# Altium PCB pcb地图1.00.pcbdoc (part 2 of 2)
Units mil, origin at the board's own origin, x right, y up, seen from the top; angles counter-clockwise.
Board outline 10933.01 x 3940 mil, 2 copper layers (Top Layer, Bottom Layer); 350 components, 336 nets, 1102 pads, 0 vias.
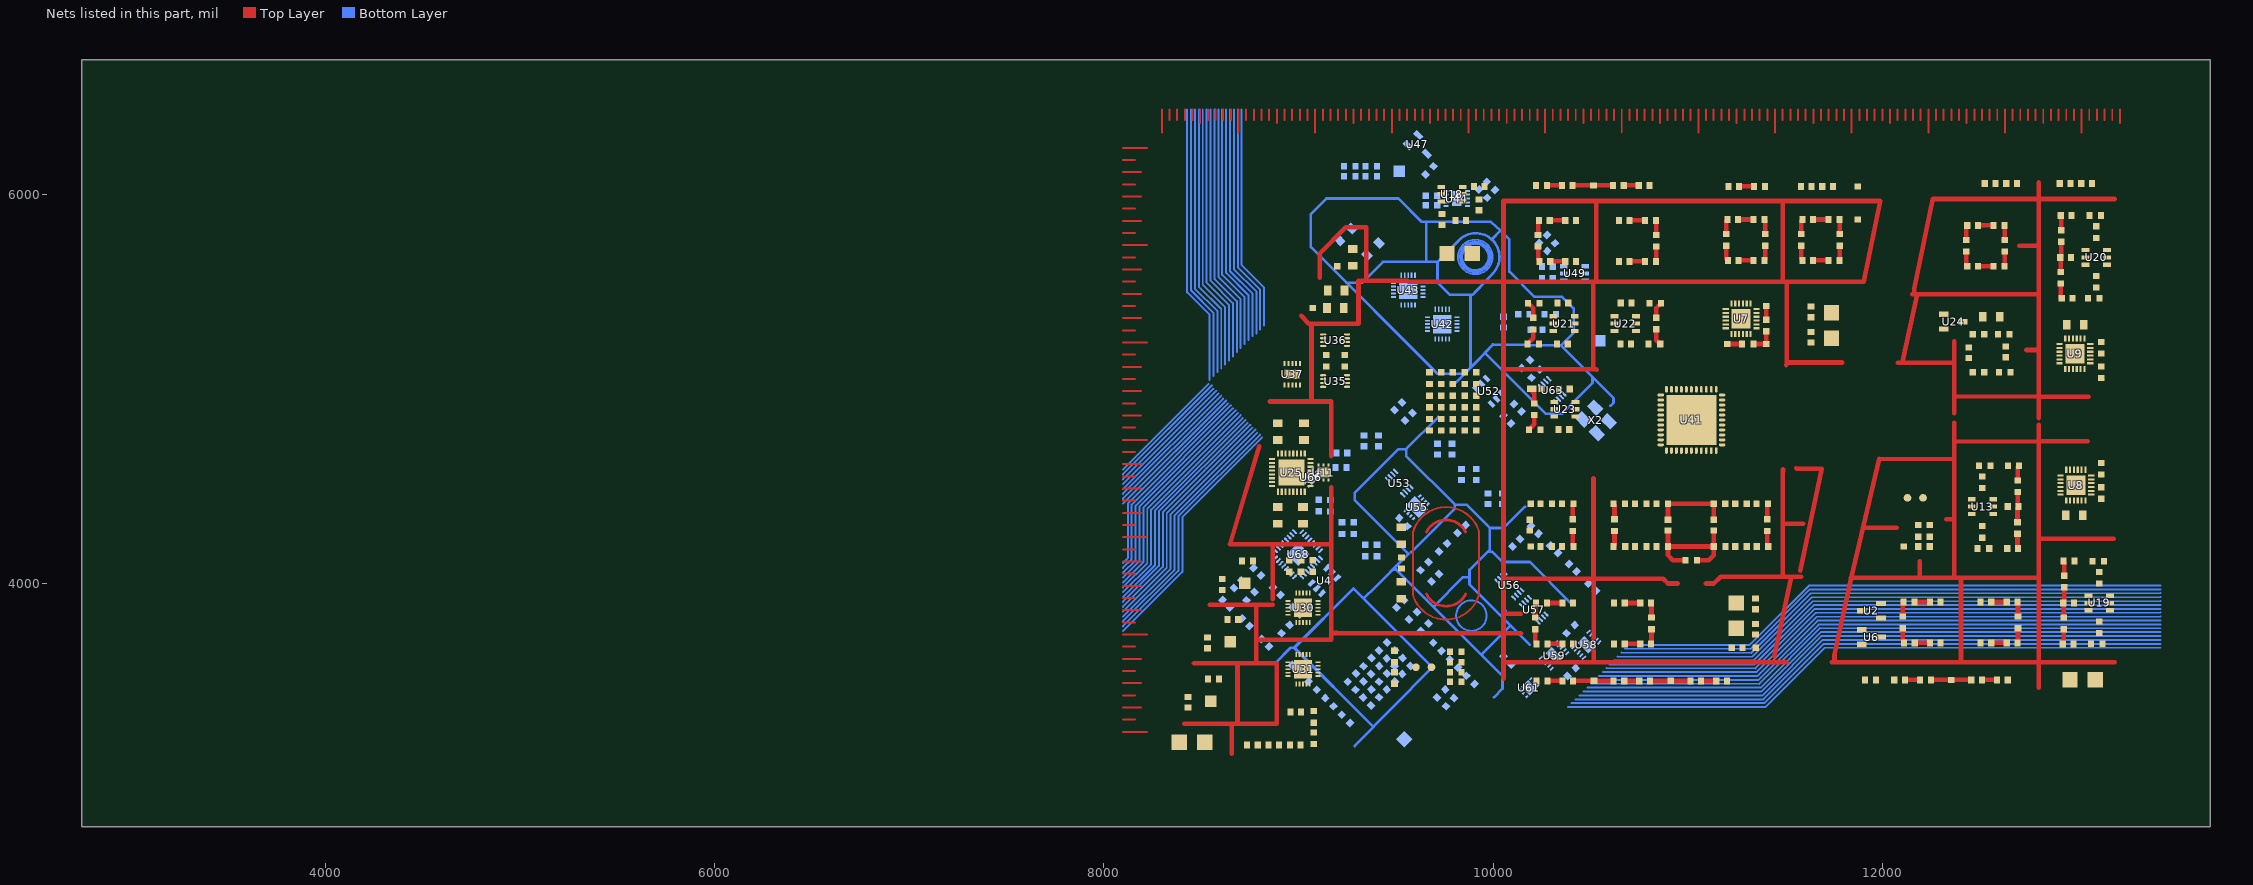
[diagram p2: the nets of this part, all layers, seen from the top]

## Nets (pads, with @x,y where several pads share a name; then routed paths per layer and width w, separated by ;. In a path a pad name is that pad's centre, name@x,y a point inside that pad or via, vN(x,y) a via of type N, cw(c..) or ccw(c..) an arc to the next point about the centre after c; other vN are vias at no path point)
C1_1: C7.1 C8.1 C11.1 C12.1 C13.1 C14.1 C15.1 C16.1 C17.1 C18.1 C19.1 C20.1 C21.1 C22.1 C23.1 C24.1 C25.1 C26.1 C27.1 C28.1 C29.1 C30.1 C31.1 C32.1 C33.1 C34.1 C35.1 C36.1 C37.1 C38.1 C40.1 C48.1 C49.1 C50.1 C51.1 C52.1 C53.1 C54.1 C55.1 C56.1 C57.1 C58.1 C59.1 C60.1 C61.1 C62.1 C63.1 C64.1 C65.1 C66.1 C69.1 C70.1 C71.1 C72.1 C73.1 C74.1 C75.1 C82.1 C83.1 C84.1 C85.1 C87.1 C89.1 C91.1 C92.1 C93.1 C94.1 C101.1 C102.1 C103.1 C104.1 C105.1 C106.1 C107.1 C108.1 C109.1 C110.1 C111.1 C112.1 C113.1 C114.1 C115.1 C116.1 C119.1 C120.1 C121.1 C122.1 C123.1 C124.1 C125.1 C126.1 C127.1 C128.1 C129.1 C130.1 C131.1 C132.1 C134.1 C135.1 C137.1 C138.1 C139.1 C140.1 C141.1 C142.1 C143.1 C144.1 C145.1 C146.1 C147.1 C148.1 C149.1 C150.1 C158.1 C159.1 C160.1 C161.1 C162.1 C164.1 C165.1 C166.1 C167.1 C168.1 C169.1 C171.1 C172.1 C173.1 C174.1 C175.1 C176.1 pad.2@10515.45,6045 pad.2@10517.89,3500 pad.2@10912.89,3500 pad.2@12353.01,3505 R64.1 R64.2 R65.1 R65.2 R95.1 R95.2 R98.1 R98.2 R99.1 R99.2 R105.1 R105.2 R106.1 R106.2 R109.1 R109.2 R110.1 R110.2 R115.1 R115.2 R116.1 R116.2 R117.1 R117.2 R118.1 R118.2 R119.1 R119.2 R120.1 R120.2 R183.1 R183.2 R184.1 R184.2 | length 2392.9
  Top Layer w23.62: R64.2@10215.45,3765.34 10215.41,3697.4 C18.1@10222.89,3690 ; R64.1@10215.45,3824.66 10215.41,3895 C16.1@10220.45,3900 ; R95.2@10230.45,5730.34 10230.41,5662.4 C54.1@10237.89,5655 ; R95.1@10230.45,5789.66 10230.41,5860 C56.1@10235.45,5865 ; C51.1@10408.13,6045 pad.2@10515.45,6045 C50.1@10615.45,6045 ; C32.1@10410.57,3500 pad.2@10517.89,3500 C33.1@10617.89,3500 ; C7.1@10675.57,3900 C13.1@10755.45,3900 ; C14.1@10680.61,3690 C15.1@10757.91,3690 ; C48.1@10700.57,5865 C59.1@10780.45,5865 ; C58.1@10705.61,5655 C57.1@10782.91,5655 ; C34.1@10805.57,3500 pad.2@10912.89,3500 C102.1@11012.89,3500 ; R98.2@11197.89,5735.34 11197.91,5667.4 C65.1@11205.33,5660 ; R98.1@11197.89,5794.66 11197.91,5865 C63.1@11202.89,5870 ; C64.1@11393.01,5660 11398.01,5665 R99.2@11398.01,5735.34 ; C66.1@11393.01,5870 11398.01,5865 R99.1@11398.01,5794.66 ; C71.1@11643.01,5870 C60.1@11722.89,5870 ; C61.1@11648.01,5660 C62.1@11725.31,5660 ; R65.2@12103.13,3770.34 12103.11,3702.4 C25.1@12110.57,3695 ; R65.1@12103.13,3829.66 12103.11,3900 C27.1@12108.13,3905 ; C37.1@12248.01,3505 pad.2@12353.01,3505 C36.1@12455.33,3505 ; C129.1@12490.57,5839.66 C132.1@12570.45,5839.66 ; C131.1@12495.61,5629.7 C130.1@12572.91,5629.7 ; C23.1@12558.25,3905 C30.1@12638.13,3905 ; C29.1@12563.21,3695 C28.1@12640.61,3695
C1_2: C7.2 C8.2 C11.2 C12.2 C13.2 C14.2 C15.2 C16.2 C17.2 C18.2 C19.2 C20.2 C21.2 C22.2 C23.2 C24.2 C25.2 C26.2 C27.2 C28.2 C29.2 C30.2 C31.2 C32.2 C33.2 C34.2 C35.2 C36.2 C37.2 C38.2 C40.2 C48.2 C49.2 C50.2 C51.2 C52.2 C53.2 C54.2 C55.2 C56.2 C57.2 C58.2 C59.2 C60.2 C61.2 C62.2 C63.2 C64.2 C65.2 C66.2 C69.2 C70.2 C71.2 C72.2 C73.2 C74.2 C75.2 C82.2 C83.2 C84.2 C85.2 C87.2 C89.2 C91.2 C92.2 C93.2 C94.2 C101.2 C102.2 C103.2 C104.2 C105.2 C106.2 C107.2 C108.2 C109.2 C110.2 C111.2 C112.2 C113.2 C114.2 C115.2 C116.2 C119.2 C120.2 C121.2 C122.2 C123.2 C124.2 C125.2 C126.2 C127.2 C128.2 C129.2 C130.2 C131.2 C132.2 C134.2 C135.2 C137.2 C138.2 C139.2 C140.2 C141.2 C142.2 C143.2 C144.2 C145.2 C146.2 C147.2 C148.2 C149.2 C150.2 C158.2 C159.2 C160.2 C161.2 C162.2 C164.2 C165.2 C166.2 C167.2 C168.2 C169.2 C171.2 C172.2 C173.2 C174.2 C175.2 C176.2 R63.1 R63.2 R66.1 R66.2 R96.1 R96.2 R97.1 R97.2 R100.1 R100.2 R146.1 R146.2 R149.1 R149.2 R151.1 R151.2 R152.1 R152.2 R153.1 R153.2 R154.1 R154.2 R155.1 R155.2 R156.1 R156.2 R157.1 R157.2 R158.1 R158.2 R159.1 R159.2 R160.1 R160.2 R161.1 R161.2 R162.1 R162.2 R163.1 R163.2 R164.1 R164.2 R165.1 R165.2 R167.1 R167.2 R169.1 R169.2 R173.1 R173.2 R175.1 R175.2 R178.1 R178.2 R179.1 R179.2 R180.1 R180.2 R181.1 R181.2 R182.1 R182.2 R185.1 R185.2 R186.1 R186.2 | length 3265.7
  Top Layer w23.62: C16.2@10275.57,3900 C19.2@10355.45,3900 ; C52.2@10275.57,6045 C51.2@10353.01,6045 ; C31.2@10278.01,3500 C32.2@10355.45,3500 ; C18.2@10278.01,3690 C17.2@10355.45,3690 ; C56.2@10290.57,5865 C53.2@10370.45,5865 ; C54.2@10293.01,5655 C55.2@10370.45,5655 ; C50.2@10670.57,6045 C49.2@10748.01,6045 ; C33.2@10673.01,3500 C34.2@10750.45,3500 ; C13.2@10810.57,3900 10813.01,3897.6 R63.1@10813.01,3824.66 ; C15.2@10813.01,3690 R63.2@10813.01,3765.34 ; C59.2@10835.57,5865 10838.01,5862.6 R96.1@10838.01,5789.66 ; C57.2@10838.01,5655 R96.2@10838.01,5730.34 ; C102.2@11068.01,3500 C101.2@11145.45,3500 ; C63.2@11258.01,5870 C66.2@11337.89,5870 ; C65.2@11260.45,5660 C64.2@11337.89,5660 ; C69.2@11263.01,6040 C70.2@11340.45,6040 ; R100.2@11583.01,5735.34 11583.01,5664.9 C61.2@11587.89,5660 ; R100.1@11583.01,5794.66 11583.01,5865.1 C71.2@11587.89,5870 ; C60.2@11778.01,5870 11780.41,5867.6 R97.1@11780.45,5794.66 ; C62.2@11780.41,5660 R97.2@11780.45,5735.34 ; C38.2@12115.45,3505 C37.2@12192.89,3505 ; C27.2@12163.25,3905 C24.2@12243.13,3905 ; C25.2@12165.69,3695 C26.2@12243.13,3695 ; R185.2@12430.57,5705 12430.61,5634.5 C131.2@12435.45,5629.66 ; R185.1@12430.57,5764.32 12430.61,5834.8 C129.2@12435.45,5839.66 ; C36.2@12510.45,3505 C35.2@12587.89,3505 ; C132.2@12625.57,5839.66 12628.01,5837.2 R186.1@12628.01,5764.32 ; C130.2@12628.01,5629.7 R186.2@12628.01,5705 ; R146.1@12693.01,4255.34 12693.01,4187.6 C103.2@12700.61,4180 ; R146.2@12693.01,4314.66 12693.01,4390 C105.2@12698.01,4395 ; C30.2@12693.25,3905 12695.71,3902.6 R66.1@12695.69,3829.66 ; R149.1@12695.45,4470.34 12695.41,4402.6 C105.2@12703.01,4395 ; R149.2@12695.45,4529.66 12695.41,4600 C104.2@12700.45,4605 ; C28.2@12695.71,3695 R66.2@12695.69,3770.34 ; C114.2@12908.01,5675 12915.61,5667.4 R173.1@12915.57,5599.66 ; C116.2@12910.41,5890 12918.01,5882.4 R175.1@12918.01,5814.66 ; C114.2@12913.01,5675 12918.01,5680 R175.2@12918.01,5755.34 ; R173.2@12915.57,5540.34 12915.61,5469.9 C115.2@12920.45,5465 ; C111.2@12923.01,3900 12930.61,3892.4 R167.1@12930.57,3824.66 ; C113.2@12925.41,4115 12933.01,4107.4 R169.1@12933.01,4039.66 ; C112.2@12925.57,3690 12930.61,3695 R167.2@12930.57,3765.34 ; C111.2@12928.01,3900 12933.01,3905 R169.2@12933.01,3980.34
R1_1: C9.1 C9.2 C10.1 C10.2 pad.1 pad.2@11202.67,5230 pad.2@11403.01,5425.34 R27.1 R28.1 R31.1 R32.1 R33.1 R34.1 R35.1 R36.1 R37.1 R38.1 R39.1 R40.1 R41.1 R42.1 R43.1 R44.1 R45.1 R46.1 R47.1 R48.1 R55.1 R56.1 R56.2 R59.1 R61.1 R102.1 R103.1 R104.1 R111.1 R112.1 R113.1 R114.1 R121.1 R124.1 R125.1 R128.1 R147.1 R150.1 R166.1 R168.1 R172.1 R174.1 R188.1 R189.1 R190.1 R191.1 R192.1 R193.1 R194.1 R196.1 R197.1 R199.1 R200.1 R203.1 R204.1 R205.1 R206.1 R207.1 R208.1 R210.1 R211.1 R212.1 R213.1 R215.1 R217.1 R218.1 R219.1 R220.1 R222.1 R224.1 R230.1 R231.1 R232.1 R233.1 R234.1 R235.1 R236.1 R237.1 R238.1 R239.1 R240.1 R241.1 R242.1 R243.1 R244.1 R245.1 R246.1 R247.1 R248.1 R249.1 R250.1 R251.1 R252.1 R253.1 | length 1733.5
  Top Layer w23.62: R48.1@10180.91,5440 10205.61,5415.3 R55.1@10205.57,5364.66 ; R128.1@10188.31,5000 10210.61,4977.8 R125.1@10210.57,4924.66 ; R33.1@10408.01,4270.34 10408.01,4194.7 R28.1@10412.66,4190 ; R46.1@10618.31,4410 10623.01,4405.3 R41.1@10623.01,4329.66 ; R121.1@10838.01,5305.68 10838.01,5249.7 R124.1@10857.66,5230 ; C10.2@10898.01,4272.44 R44.1@10898,4190 ; C10.1@10898.01,4327.56 R45.1@10897.66,4410 R37.1@11133.01,4410 C9.2@11133.01,4327.56 ; R56.2@10988.31,4120 10923.01,4120 10898.01,4145 R44.1@10898,4190 ; R56.1@11047.66,4120 11108.01,4120 11133.31,4145.3 R38.1@11133.31,4190 ; C9.1@11133.01,4272.44 R38.1@11133.31,4190 ; pad.2@11202.67,5230 R61.1@11278.31,5230 ; R59.1@11403.01,5354.66 pad.2@11403.01,5425.34 ; R34.1@11408.01,4270.34 11408.01,4194.7 R39.1@11412.66,4190 ; R44.1@10898,4190 R38.1@11133.31,4190
R1_2: pad.2@8967.04,3580.97 pad.2@9073.01,5415 pad.2@9198.01,5630 pad.2@9222.04,3325.97 pad.2@10193.01,4190 pad.2@10193.01,4410 pad.2@11348.01,3670 pad.2@11403.01,5230 pad.2@11873.01,5870 pad.2@11873.01,6040 pad.2@12108.01,4190 R27.2 R28.2 R31.2 R32.2 R33.2 R34.2 R35.2 R36.2 R37.2 R38.2 R39.2 R40.2 R41.2 R42.2 R43.2 R44.2 R45.2 R46.2 R47.2 R48.2 R52.1 R52.2 R55.2 R59.2 R61.2 R102.2 R103.2 R104.2 R111.2 R112.2 R113.2 R114.2 R121.2 R122.1 R122.2 R124.2 R125.2 R126.1 R126.2 R128.2 R144.1 R144.2 R145.1 R145.2 R147.2 R150.2 R166.2 R168.2 R170.1 R170.2 R171.1 R171.2 R172.2 R174.2 R176.1 R176.2 R177.1 R177.2 R188.2 R189.2 R190.2 R191.2 R192.2 R193.2 R194.2 R196.2 R197.2 R199.2 R200.2 R203.2 R204.2 R205.2 R206.2 R207.2 R208.2 R210.2 R211.2 R212.2 R213.2 R215.2 R217.2 R218.2 R219.2 R220.2 R222.2 R224.2 R230.2 R231.2 R232.2 R233.2 R234.2 R235.2 R236.2 R237.2 R238.2 R239.2 R240.2 R241.2 R242.2 R243.2 R244.2 R245.2 R246.2 R247.2 R248.2 R249.2 R250.2 R251.2 R252.2 R253.2 | length 636.3
  Top Layer w23.62: R52.1@10175.91,5230 10205.61,5259.7 R55.2@10205.57,5305.34 ; R126.1@10183.31,4790 10210.61,4817.2 R125.2@10210.57,4865.34 ; R33.2@10408.01,4329.66 10408.01,4405.7 R31.2@10412.32,4410 ; R43.2@10618.69,4190 10623.01,4194.3 R41.2@10623.01,4270.34 ; R121.2@10838.01,5365 10838.01,5415.3 R122.1@10862.66,5440 ; R61.2@11337.66,5230 pad.2@11403.01,5230 R59.2@11403.01,5295.34 ; R34.2@11408.01,4329.66 11408.01,4405.7 R36.2@11412.32,4410
S$45027:  | length 495.1
  Top Layer w14.96: 9658.01,3945 ccw(c9758.01,3995) 9858.01,3945 ; 9658.01,4265 cw(c9758.01,4215) 9858.01,4265
S$45063:  | length 1550.7
  Top Layer w10: 9587.2,3942.07 ccw(c9757.2,3991.98) 9927.18,3941.99 ; 9588.01,3945 9588.01,4265 ; 9588.03,4264.99 cw(c9758.01,4215) 9928.01,4264.91 9928.01,3944.91
S$61466:  | length 14557.8
  Top Layer w23.62: 11090.92,4000 11133.01,4000 11168.01,4035 11488.01,4035 ; 11444.01,3624.72 11530.53,4035 ; 11488.01,4307.49 11593.01,4307.49 ; 11488.01,4550 11488.01,4035 ; 11583.01,4035 11488.01,4035 ; 11738.94,3595.07 11753.01,3595.07 ; 11898.85,4285.98 12073.01,4285.98 ; 12078.01,5133.22 12091.56,5133.22 12368.01,5133.22 ; 12102.16,5133.22 12178.08,5485 ; 12153.01,5485 12803.01,5485 ; 12163.01,5497.99 12163.01,5515 12258.01,5975 12803.01,5975 ; 12190.99,4030 12190.99,4115 ; 12328.01,4330 12368.01,4330.8 12368.01,4638.8 ; 12368.01,4330 12368.14,4030 ; 12368.01,4728.8 12803.01,4729.8 13053.01,4730 ; 12368.01,4825 12368.01,4638.8 ; 12368.01,4875 12368.01,5245 ; 12368.01,4959.8 12803.01,4960.8 ; 12703.01,5735 12803.01,5735 ; 12738.01,5199.63 12803.01,5199.63 ; 12790.12,4030 12403.01,4030 ; 12803.01,3465 12803.01,4230 ; 12803.01,3595.07 12403.01,3595.07 ; 12803.01,3595.79 13193.01,3595.79 ; 12803.01,4815 12803.01,4230 ; 12803.01,4850 12803.01,5485 ; 12803.01,4960 13058.01,4960 ; 12803.01,5930 12803.01,6060 ; 13188.01,4230 12803.01,4230 ; 13193.01,5975 12803.01,5975 ; 11753.01,3595.07 11753.01,3630 11838.01,4030 ; 11753.01,3595.07 12403.01,3595.07 ; 11838.01,4030 12403.01,4030 ; 11838.01,4030 11983.01,4640 12368.01,4638.8 ; 12403.01,3595.07 12403.01,4030 ; 12803.01,5485 12803.01,5975
S$61563:  | length 17618.3
  Top Layer w23.62: 8413.01,3280 8658.01,3280 ; 8463.01,3590 8783.01,3590 ; 8543.01,3890 8783.01,3890 ; 8658.01,3125 8658.01,3280 ; 8686.69,3280 8686.69,3590 ; 8798.01,4705 8648.01,4201.21 8868.01,4201.21 ; 8868.01,3890 8783.01,3890 ; 8868.01,3920 8868.01,4201.21 ; 9168.01,4201.21 8868.01,4201.21 ; 9168.01,4495 9168.01,3710 8783.01,3710 ; 9438.01,3745 10143.01,3745 ; 9578.01,5550 10053.01,5550 ; 10053.01,3510 10053.01,3627.5 ; 10053.01,3844.66 10143.01,3844.66 ; 10053.01,4510 10053.01,4025 ; 10053.01,4640 10053.01,5550 ; 10053.01,5100.13 10493.01,5100 ; 10513.01,5165 10513.03,5550 ; 10515.18,4025 10515.18,4540 ; 10516.79,3595 10516.79,4025 ; 10528.77,5550 10528.77,5965 ; 10943.01,5550 10053.01,5550 ; 10943.01,5965 10053.01,5965 10053.01,5550 ; 10948.01,4000 10898.01,4000 10873.01,4025 10838.01,4025 10053.01,4025 ; 11108.01,5550 11903.01,5550 11988.01,5965 11108.01,5965 ; 11488.03,5550 11488.03,5930 ; 11508.01,3595 10053.01,3595 10053.01,4025 ; 11508.4,5160 11508.4,5550 ; 8658.01,3280 8888.01,3280 8888.01,3590 8783.01,3590 ; 8783.01,3590 8783.01,3710 ; 8783.01,3710 8783.01,3890
S$61639:  | length 1521.6
  Top Layer w23.62: 8853.01,4935 9168.01,4935 9168.01,4655 ; 9013.01,5375 9053.01,5335 9066.84,5335 ; 9066.81,4935 9066.81,5335 9308.01,5335 9308.01,5550
S$61649:  | length 666.2
  Top Layer w23.62: 9108.01,5570 9108.01,5695 9243.01,5830 9348.01,5830 9348.01,5584.72
S$62227:  | length 190
  Top Layer w23.62: 11603.01,5135 11793.01,5135
S$62306:  | length 210.3
  Top Layer w23.62: 9198.01,3745 9408.29,3745
S$62328:  | length 205.3
  Top Layer w23.62: 9337.71,5555 9543.01,5555
S$62405:  | length 621.9
  Top Layer w23.62: 11576.69,4064.72 11688.01,4590 11603.01,4590
S$96601:  | length 1456.8
  Bottom Layer w10: 9975.09,5677.5 ccw(c9908.01,5677.5) 9975.09,5677.5 ; 9996.47,5677.5 ccw(c9908.01,5677.5) 9996.47,5677.5
  Bottom Layer w13.78: 9984.33,5677.5 ccw(c9908.01,5677.5) 9984.33,5677.5
S$104272:  | length 5762.6
  Bottom Layer w13.78: 9484.74,4071.74 9501.27,4071.74 10048.01,3525 10048.01,3460 10003.01,3415 ; 9578.01,4160 9803.01,4385 9803.01,4405 ; 9678.01,3560 9687.35,3569.21 9334.78,3921.77 9398.01,3985 9543.01,4130 9564.46,4151.45 9288.01,4427.9 9288.01,4465 9513.01,4690 9553.01,4690 ; 9692.79,3880.22 9844.91,4032.34 9878.01,4032.34 ; 9718.01,4855 9553.01,4690 ; 9936.37,3636.64 9943.37,3636.64 10089.87,3783.14 ; 9971.48,4163.48 9994.53,4163.48 10048.01,4110 10188.01,4110 10398.01,3900 ; 10036.79,3836.22 10039.22,3836.22 10063.01,3860 ; 10163.01,4395 10053.01,4285 9983.01,4285 ; 10188.01,3685 9878.01,3995 9878.01,4070 9983.01,4175 9983.01,4285 ; 9553.01,4690 9553.01,4655 9803.01,4405 ; 9803.01,4405 9863.01,4405 9983.01,4285
S$104400:  | length 1768.3
  Bottom Layer w13.78: 8878.01,3590 8958.01,3670 8978.01,3670 ; 9288.01,3165 9678.01,3560 ; 9334.81,3921.8 9282.31,3974.3 8978.01,3670 ; 9385.31,3263.5 8978.01,3670
S$113154:  | length 490.7
  Bottom Layer w10: 9966.11,3835 ccw(c9888.01,3835) 9966.11,3835
S$116413:  | length 6378.2
  Bottom Layer w10: 8468.01,6435 8468.01,5515 8583.01,5400 8583.01,5085 ; 8528.01,6435 8528.01,5545 8643.01,5430 8643.01,5145 ; 8588.01,6435 8588.01,5575 8703.01,5460 8703.01,5210 ; 8648.01,6435 8648.01,5605 8763.01,5490 8763.01,5270 ; 8708.01,6435 8708.01,5635 8823.01,5520 8823.01,5325
S$116417:  | length 6478.2
  Bottom Layer w10: 8448.01,6435 8448.01,5505 8563.01,5390 8563.01,5065 ; 8508.01,6435 8508.01,5535 8623.01,5420 8623.01,5125 ; 8568.01,6435 8568.01,5565 8683.01,5450 8683.01,5190 ; 8628.01,6435 8628.01,5595 8743.01,5480 8743.01,5250 ; 8688.01,6435 8688.01,5625 8803.01,5510 8803.01,5305
S$116421:  | length 6583.2
  Bottom Layer w10: 8428.01,6435 8428.01,5495 8543.01,5380 8543.01,5045 ; 8488.01,6435 8488.01,5525 8603.01,5410 8603.01,5105 ; 8548.01,6435 8548.01,5555 8663.01,5440 8663.01,5165 ; 8608.01,6435 8608.01,5585 8723.01,5470 8723.01,5230 ; 8668.01,6435 8668.01,5615 8783.01,5500 8783.01,5285
S$116737:  | length 1291.2
  Bottom Layer w10: 8098.01,3755 8403.01,4060 8403.01,4340 8813.01,4750
S$116741:  | length 1277
  Bottom Layer w10: 8098.01,3780 8383.01,4065 8383.01,4345 8803.01,4765
S$116751:  | length 1255.8
  Bottom Layer w10: 8098.01,3805 8363.01,4070 8363.01,4350 8788.01,4775
S$116896:  | length 1241.7
  Bottom Layer w10: 8098.01,3830 8343.01,4075 8343.01,4355 8778.01,4790
S$117170:  | length 1220.5
  Bottom Layer w10: 8098.01,3855 8323.01,4080 8323.01,4360 8763.01,4800
S$117180:  | length 1206.3
  Bottom Layer w10: 8098.01,3880 8303.01,4085 8303.01,4365 8753.01,4815
S$117196:  | length 1185.1
  Bottom Layer w10: 8098.01,3905 8283.01,4090 8283.01,4370 8738.01,4825
S$117215:  | length 1171
  Bottom Layer w10: 8098.01,3930 8263.01,4095 8263.01,4375 8728.01,4840
S$117225:  | length 1149.7
  Bottom Layer w10: 8098.01,3955 8243.01,4100 8243.01,4380 8713.01,4850
S$117229:  | length 1135.6
  Bottom Layer w10: 8098.01,3980 8223.01,4105 8223.01,4385 8703.01,4865
S$117233:  | length 1114.4
  Bottom Layer w10: 8098.01,4005 8203.01,4110 8203.01,4390 8688.01,4875
S$117237:  | length 1100.2
  Bottom Layer w10: 8098.01,4030 8183.01,4115 8183.01,4395 8678.01,4890
S$117241:  | length 1079
  Bottom Layer w10: 8098.01,4055 8163.01,4120 8163.01,4400 8663.01,4900
S$117245:  | length 1064.9
  Bottom Layer w10: 8098.01,4080 8143.01,4125 8143.01,4405 8653.01,4915
S$117249:  | length 1043.7
  Bottom Layer w10: 8098.01,4105 8123.01,4130 8123.01,4410 8638.01,4925
S$117253:  | length 749.5
  Bottom Layer w10: 8098.01,4410 8628.01,4940
S$117287:  | length 728.3
  Bottom Layer w10: 8098.01,4435 8613.01,4950
S$117297:  | length 714.2
  Bottom Layer w10: 8098.01,4460 8603.01,4965
S$117301:  | length 693
  Bottom Layer w10: 8098.01,4485 8588.01,4975
S$117305:  | length 678.8
  Bottom Layer w10: 8098.01,4510 8578.01,4990
S$117330:  | length 657.6
  Bottom Layer w10: 8098.01,4535 8563.01,5000
S$117340:  | length 647
  Bottom Layer w10: 8098.01,4560 8555.51,5017.5
S$117350:  | length 622.3
  Bottom Layer w10: 8098.01,4585 8538.01,5025
S$117729:  | length 18138
  Bottom Layer w10: 10383.01,3365 11398.01,3365 11703.01,3670 13428.01,3670 ; 10443.01,3425 11383.44,3425.43 11688.44,3730.43 13428.01,3730 ; 10503.01,3485 11366.82,3483.81 11671.82,3788.81 13428.01,3790 ; 10563.01,3545 11352.25,3544.24 11657.25,3849.24 13428.01,3850 ; 10618.01,3605 11336.82,3603.81 11641.82,3908.81 13428.01,3910 ; 10678.01,3665 11322.25,3664.24 11627.25,3969.24 13428.01,3970
S$117745:  | length 18028
  Bottom Layer w10: 10403.01,3385 11393.01,3385 11698.01,3690 13428.01,3690 ; 10463.01,3445 11378.44,3445.43 11683.44,3750.43 13428.01,3750 ; 10518.01,3505 11361.82,3503.81 11666.82,3808.81 13428.01,3810 ; 10583.01,3565 11347.21,3564.2 11652.21,3869.2 13428.01,3870 ; 10638.01,3625 11331.82,3623.81 11636.82,3928.81 13428.01,3930 ; 10693.01,3685 11317.25,3684.24 11622.25,3989.24 13428.01,3990
S$117752:  | length 15066.7
  Bottom Layer w10: 10423.01,3405 11388.01,3405 11693.01,3710 13428.01,3710 ; 10483.01,3465 11373.44,3465.43 11678.44,3770.43 13428.01,3770 ; 10543.01,3525 11356.82,3523.81 11661.82,3828.81 13428.01,3830 ; 10598.01,3585 11342.21,3584.2 11647.21,3889.2 13428.01,3890 ; 10658.01,3645 11326.82,3643.81 11631.82,3948.81 13428.01,3950
S$118072:  | length 118.1
  Top Layer w10: 8298.01,6316.89 8298.01,6435
S$120890:  | length 716.5
  Top Layer w10: 8337.38,6379.88 8337.38,6435 ; 8731.08,6379.88 8731.08,6435 ; 9124.78,6379.88 9124.78,6435 ; 9518.48,6379.88 9518.48,6435 ; 9912.18,6379.88 9912.18,6435 ; 10305.88,6379.88 10305.88,6435 ; 10699.58,6379.88 10699.58,6435 ; 11093.28,6379.88 11093.28,6435 ; 11486.98,6379.88 11486.98,6435 ; 11880.68,6379.88 11880.68,6435 ; 12274.38,6379.88 12274.38,6435 ; 12668.08,6379.88 12668.08,6435 ; 13061.79,6379.88 13061.79,6435
S$120894:  | length 716.5
  Top Layer w10: 8376.75,6379.88 8376.75,6435 ; 8770.45,6379.88 8770.45,6435 ; 9164.15,6379.88 9164.15,6435 ; 9557.85,6379.88 9557.85,6435 ; 9951.55,6379.88 9951.55,6435 ; 10345.25,6379.88 10345.25,6435 ; 10738.95,6379.88 10738.95,6435 ; 11132.65,6379.88 11132.65,6435 ; 11526.35,6379.88 11526.35,6435 ; 11920.05,6379.88 11920.05,6435 ; 12313.75,6379.88 12313.75,6435 ; 12707.45,6379.88 12707.45,6435 ; 13101.16,6379.88 13101.16,6435
S$123127:  | length 716.5
  Top Layer w10: 8416.12,6379.88 8416.12,6435 ; 8809.82,6379.88 8809.82,6435 ; 9203.52,6379.88 9203.52,6435 ; 9597.22,6379.88 9597.22,6435 ; 9990.92,6379.88 9990.92,6435 ; 10384.62,6379.88 10384.62,6435 ; 10778.32,6379.88 10778.32,6435 ; 11172.02,6379.88 11172.02,6435 ; 11565.72,6379.88 11565.72,6435 ; 11959.42,6379.88 11959.42,6435 ; 12353.12,6379.88 12353.12,6435 ; 12746.82,6379.88 12746.82,6435 ; 13140.53,6379.88 13140.53,6435
S$123131:  | length 716.5
  Top Layer w10: 8455.49,6379.88 8455.49,6435 ; 8849.19,6379.88 8849.19,6435 ; 9242.89,6379.88 9242.89,6435 ; 9636.59,6379.88 9636.59,6435 ; 10030.29,6379.88 10030.29,6435 ; 10423.99,6379.88 10423.99,6435 ; 10817.69,6379.88 10817.69,6435 ; 11211.39,6379.88 11211.39,6435 ; 11605.09,6379.88 11605.09,6435 ; 11998.79,6379.88 11998.79,6435 ; 12392.49,6379.88 12392.49,6435 ; 12786.19,6379.88 12786.19,6435 ; 13179.9,6379.88 13179.9,6435
S$123135:  | length 921.3
  Top Layer w10: 8494.86,6364.13 8494.86,6435 ; 8888.56,6364.13 8888.56,6435 ; 9282.26,6364.13 9282.26,6435 ; 9675.96,6364.13 9675.96,6435 ; 10069.66,6364.13 10069.66,6435 ; 10463.36,6364.13 10463.36,6435 ; 10857.06,6364.13 10857.06,6435 ; 11250.77,6364.13 11250.77,6435 ; 11644.47,6364.13 11644.47,6435 ; 12038.17,6364.13 12038.17,6435 ; 12431.87,6364.13 12431.87,6435 ; 12825.57,6364.13 12825.57,6435 ; 13219.27,6364.13 13219.27,6435
S$123139:  | length 661.4
  Top Layer w10: 8534.23,6379.88 8534.23,6435 ; 8927.93,6379.88 8927.93,6435 ; 9321.63,6379.88 9321.63,6435 ; 9715.33,6379.88 9715.33,6435 ; 10109.03,6379.88 10109.03,6435 ; 10502.73,6379.88 10502.73,6435 ; 10896.43,6379.88 10896.43,6435 ; 11290.14,6379.88 11290.14,6435 ; 11683.84,6379.88 11683.84,6435 ; 12077.54,6379.88 12077.54,6435 ; 12471.24,6379.88 12471.24,6435 ; 12864.94,6379.88 12864.94,6435
S$123143:  | length 661.4
  Top Layer w10: 8573.6,6379.88 8573.6,6435 ; 8967.3,6379.88 8967.3,6435 ; 9361,6379.88 9361,6435 ; 9754.7,6379.88 9754.7,6435 ; 10148.4,6379.88 10148.4,6435 ; 10542.1,6379.88 10542.1,6435 ; 10935.8,6379.88 10935.8,6435 ; 11329.51,6379.88 11329.51,6435 ; 11723.21,6379.88 11723.21,6435 ; 12116.91,6379.88 12116.91,6435 ; 12510.6,6379.88 12510.6,6435 ; 12904.31,6379.88 12904.31,6435
S$123147:  | length 661.4
  Top Layer w10: 8612.97,6379.88 8612.97,6435 ; 9006.67,6379.88 9006.67,6435 ; 9400.37,6379.88 9400.37,6435 ; 9794.07,6379.88 9794.07,6435 ; 10187.77,6379.88 10187.77,6435 ; 10581.47,6379.88 10581.47,6435 ; 10975.17,6379.88 10975.17,6435 ; 11368.88,6379.88 11368.88,6435 ; 11762.58,6379.88 11762.58,6435 ; 12156.27,6379.88 12156.27,6435 ; 12549.97,6379.88 12549.97,6435 ; 12943.68,6379.88 12943.68,6435
S$123151:  | length 661.4
  Top Layer w10: 8652.34,6379.88 8652.34,6435 ; 9046.04,6379.88 9046.04,6435 ; 9439.74,6379.88 9439.74,6435 ; 9833.44,6379.88 9833.44,6435 ; 10227.14,6379.88 10227.14,6435 ; 10620.84,6379.88 10620.84,6435 ; 11014.54,6379.88 11014.54,6435 ; 11408.25,6379.88 11408.25,6435 ; 11801.95,6379.88 11801.95,6435 ; 12195.64,6379.88 12195.64,6435 ; 12589.34,6379.88 12589.34,6435 ; 12983.05,6379.88 12983.05,6435
S$123155:  | length 1417.3
  Top Layer w10: 8691.71,6316.89 8691.71,6435 ; 9085.41,6316.89 9085.41,6435 ; 9479.11,6316.89 9479.11,6435 ; 9872.81,6316.89 9872.81,6435 ; 10266.51,6316.89 10266.51,6435 ; 10660.21,6316.89 10660.21,6435 ; 11053.91,6316.89 11053.91,6435 ; 11447.62,6316.89 11447.62,6435 ; 11841.31,6316.89 11841.31,6435 ; 12235.01,6316.89 12235.01,6435 ; 12628.71,6316.89 12628.71,6435 ; 13022.42,6316.89 13022.42,6435
S$125625:  | length 125
  Top Layer w10: 8097.22,6238.15 8222.22,6238.15
S$125632:  | length 375
  Top Layer w10: 8097.22,3238.15 8222.22,3238.15 ; 8097.22,4238.15 8222.22,4238.15 ; 8097.22,5238.15 8222.22,5238.15
S$125656:  | length 187.5
  Top Layer w10: 8097.22,4175.65 8159.72,4175.65 ; 8097.22,5175.65 8159.72,5175.65 ; 8097.22,6175.65 8159.72,6175.65
S$125660:  | length 281.2
  Top Layer w10: 8097.22,4113.15 8190.97,4113.15 ; 8097.22,5113.15 8190.97,5113.15 ; 8097.22,6113.15 8190.97,6113.15
S$125664:  | length 187.5
  Top Layer w10: 8097.22,4050.65 8159.72,4050.65 ; 8097.22,5050.65 8159.72,5050.65 ; 8097.22,6050.65 8159.72,6050.65
S$125668:  | length 281.2
  Top Layer w10: 8097.22,3988.15 8190.97,3988.15 ; 8097.22,4988.15 8190.97,4988.15 ; 8097.22,5988.15 8190.97,5988.15
S$125672:  | length 187.5
  Top Layer w10: 8097.22,3925.65 8159.72,3925.65 ; 8097.22,4925.65 8159.72,4925.65 ; 8097.22,5925.65 8159.72,5925.65
S$125676:  | length 281.2
  Top Layer w10: 8097.22,3863.15 8190.97,3863.15 ; 8097.22,4863.15 8190.97,4863.15 ; 8097.22,5863.15 8190.97,5863.15
S$125680:  | length 187.5
  Top Layer w10: 8097.22,3800.65 8159.72,3800.65 ; 8097.22,4800.65 8159.72,4800.65 ; 8097.22,5800.65 8159.72,5800.65
S$125684:  | length 375
  Top Layer w10: 8097.22,3738.15 8222.22,3738.15 ; 8097.22,4738.15 8222.22,4738.15 ; 8097.22,5738.15 8222.22,5738.15
S$125688:  | length 187.5
  Top Layer w10: 8097.22,3675.65 8159.72,3675.65 ; 8097.22,4675.65 8159.72,4675.65 ; 8097.22,5675.65 8159.72,5675.65
S$125692:  | length 281.2
  Top Layer w10: 8097.22,3613.15 8190.97,3613.15 ; 8097.22,4613.15 8190.97,4613.15 ; 8097.22,5613.15 8190.97,5613.15
S$125696:  | length 187.5
  Top Layer w10: 8097.22,3550.65 8159.72,3550.65 ; 8097.22,4550.65 8159.72,4550.65 ; 8097.22,5550.65 8159.72,5550.65
S$125700:  | length 281.2
  Top Layer w10: 8097.22,3488.15 8190.97,3488.15 ; 8097.22,4488.15 8190.97,4488.15 ; 8097.22,5488.15 8190.97,5488.15
S$125704:  | length 187.5
  Top Layer w10: 8097.22,3425.65 8159.72,3425.65 ; 8097.22,4425.65 8159.72,4425.65 ; 8097.22,5425.65 8159.72,5425.65
S$125708:  | length 281.2
  Top Layer w10: 8097.22,3363.15 8190.97,3363.15 ; 8097.22,4363.15 8190.97,4363.15 ; 8097.22,5363.15 8190.97,5363.15
S$125712:  | length 187.5
  Top Layer w10: 8097.22,3300.65 8159.72,3300.65 ; 8097.22,4300.65 8159.72,4300.65 ; 8097.22,5300.65 8159.72,5300.65
S$135902: 
S$135948:  | length 130
  Top Layer w23.62: 10053.01,4510 10053.01,4640
S$135961:  | length 29.7
  Top Layer w23.62: 9408.29,3745 9438.01,3745
S$135974:  | length 30
  Top Layer w23.62: 9168.01,3745.44 9198.01,3745.44
S$135990:  | length 29.7
  Top Layer w23.62: 9308.01,5555 9337.71,5555
S$135994:  | length 29.6
  Top Layer w23.62: 9348.01,5555 9348.01,5584.61
S$136016:  | length 37.1
  Top Layer w23.62: 9543.01,5555 9558.91,5555 9563.91,5550 9578.01,5550
S$136029:  | length 35
  Top Layer w23.62: 11488.03,5930 11488.03,5965
S$136042:  | length 165
  Top Layer w23.62: 10943.01,5965 11108.01,5965
S$136046:  | length 165
  Top Layer w23.62: 10943.01,5550 11108.01,5550
S$136068:  | length 39.2
  Top Layer w23.62: 11505.22,5122.15 11508.4,5125.33 11508.4,5160
S$136072:  | length 94.6
  Top Layer w23.62: 11508.4,5135 11603.01,5135
S$136094:  | length 40.2
  Top Layer w23.62: 10493.01,5100 10529.87,5100 10532.22,5097.65
S$136098:  | length 65
  Top Layer w23.62: 10513.01,5100 10513.01,5165
S$136120:  | length 46.3
  Top Layer w23.62: 11557.22,4591.15 11558.37,4590 11603.01,4590
S$136124:  | length 37.6
  Top Layer w23.62: 11488.01,4550 11488.71,4587.6
U2_1: U2.1 U6.1 U24.1 U47.1
U2_2: U2.2 U6.2 U24.2 U47.2
U2_3: U2.3 U6.3 U24.3 U47.3
U3_1: U3.1 U3.2 U12.1 U14.1 U15.1 U16.1 U17.1 U26.1 U27.1 U28.1 U29.1 U38.1 U39.1 U40.1 U64.1 U64.2
U3_2: U12.2 U14.2 U15.2 U16.2 U17.2 U26.2 U27.2 U28.2 U29.2 U38.2 U39.2 U40.2
U4_1: U4.1 U13.1 U18.1 U19.1 U20.1 U21.1 U22.1 U23.1 U49.1 U52.1
U4_2: U4.2 U13.2 U18.2 U19.2 U20.2 U21.2 U22.2 U23.2 U49.2 U52.2
U4_3: U4.3 U13.3 U18.3 U19.3 U20.3 U21.3 U22.3 U23.3 U49.3 U52.3
U4_4: U4.4 U13.4 U18.4 U19.4 U20.4 U21.4 U22.4 U23.4 U49.4 U52.4
U4_5: U4.5 U13.5 U18.5 U19.5 U20.5 U21.5 U22.5 U23.5 U49.5 U52.5
U4_6: U4.6 U13.6 U18.6 U19.6 U20.6 U21.6 U22.6 U23.6 U49.6 U52.6
U5_1: U68.1
U5_2: U68.2
U5_3: U68.3
U5_4: U68.4
U5_5: U68.5
U5_6: U68.6
U5_7: U68.7
U5_8: U68.8
U5_9: U68.9
U5_10: U68.10
U5_11: U68.11
U5_12: U68.12
U5_13: U68.13
U5_14: U68.14
U5_15: U68.15
U5_16: U68.16
U5_17: U68.17
U5_18: U68.18
U5_19: U68.19
U5_20: U68.20
U5_21: U68.21
U5_22: U68.22
U5_23: U68.23
U5_24: U68.24
U5_25: U68.25
U5_26: U68.26
U5_27: U68.27
U5_28: U68.28
U5_29: U68.29
U5_30: U68.30
U5_31: U68.31
U5_32: U68.32
U5_33: U68.33
U6_1: U7.1 U8.1 U9.1
U6_2: U7.2 U8.2 U9.2
U6_3: U7.3 U8.3 U9.3
U6_4: U7.4 U8.4 U9.4
U6_5: U7.5 U8.5 U9.5
U6_6: U7.6 U8.6 U9.6
U6_7: U7.7 U8.7 U9.7
U6_8: U7.8 U8.8 U9.8
U6_9: U7.9 U8.9 U9.9
U6_10: U7.10 U8.10 U9.10
U6_11: U7.11 U8.11 U9.11
U6_12: U7.12 U8.12 U9.12
U6_13: U7.13 U8.13 U9.13
U6_14: U7.14 U8.14 U9.14
U6_15: U7.15 U8.15 U9.15
U6_16: U7.16 U8.16 U9.16
U6_17: U7.17 U8.17 U9.17
U6_18: U7.18 U8.18 U9.18
U6_19: U7.19 U8.19 U9.19
U6_20: U7.20 U8.20 U9.20
U6_21: U7.21 U8.21 U9.21
U6_22: U7.22 U8.22 U9.22
U6_23: U7.23 U8.23 U9.23
U6_24: U7.24 U8.24 U9.24
U6_25: U7.25 U8.25 U9.25
U7_1: U53.1 U63.1
U7_2: U53.2 U63.2
U7_3: U53.3 U63.3
U7_4: U53.4 U63.4
U7_5: U53.5 U63.5
U7_6: U53.6 U63.6
U7_7: U53.7 U63.7
U7_8: U53.8 U63.8
U8_1: U35.1 U36.1 U56.1 U57.1
U8_2: U35.2 U36.2 U56.2 U57.2
U8_3: U35.3 U36.3 U56.3 U57.3
U8_4: U35.4 U36.4 U56.4 U57.4
U8_5: U35.5 U36.5 U56.5 U57.5
U8_6: U35.6 U36.6 U56.6 U57.6
U8_7: U35.7 U36.7 U56.7 U57.7
U8_8: U35.8 U36.8 U56.8 U57.8
U11_1: U11.1 U61.1 U66.1
U11_2: U11.2 U61.2 U66.2
U11_3: U11.3 U61.3 U66.3
U11_4: U11.4 U61.4 U66.4
U11_5: U11.5 U61.5 U66.5
U11_6: U11.6 U61.6 U66.6
U11_7: U11.7 U61.7 U66.7
U12_1: U37.1 U44.1 U58.1 U59.1
U12_2: U37.2 U44.2 U58.2 U59.2
U12_3: U37.3 U44.3 U58.3 U59.3
U12_4: U37.4 U44.4 U58.4 U59.4
U12_5: U37.5 U44.5 U58.5 U59.5
U12_6: U37.6 U44.6 U58.6 U59.6
U12_7: U37.7 U44.7 U58.7 U59.7
U12_8: U37.8 U44.8 U58.8 U59.8
U12_9: U37.9 U44.9 U58.9 U59.9
U12_10: U37.10 U44.10 U58.10 U59.10
U12_11: U37.11 U44.11 U58.11 U59.11
U13_1: 
U13_2: U30.2 U31.2 U42.2 U43.2
U13_3: U30.3 U31.3 U42.3 U43.3
U13_4: U30.4 U31.4 U42.4 U43.4
U13_5: U30.5 U31.5 U42.5 U43.5
U13_6: U30.6 U31.6 U42.6 U43.6
U13_7: 
U13_8: 
U13_9: U30.9 U31.9 U42.9 U43.9
U13_10: U30.10 U31.10 U42.10 U43.10
U13_11: U30.11 U31.11 U42.11 U43.11
U13_12: U30.12 U31.12 U42.12 U43.12
U13_13: U30.13 U31.13 U42.13 U43.13
U13_14: 
U13_15: 
U13_16: U30.16 U31.16 U42.16 U43.16
U13_17: U30.17 U31.17 U42.17 U43.17
U13_18: U30.18 U31.18 U42.18 U43.18
U13_19: U30.19 U31.19 U42.19 U43.19
U13_20: U30.20 U31.20 U42.20 U43.20
U13_21: 
U13_22: 
U13_23: U30.23 U31.23 U42.23 U43.23
U13_24: U30.24 U31.24 U42.24 U43.24
U13_25: U30.25 U31.25 U42.25 U43.25
U13_26: U30.26 U31.26 U42.26 U43.26
U13_27: U30.27 U31.27 U42.27 U43.27
U13_28: 
U13_29: U30.29 U31.29 U42.29 U43.29
U14_1: U41.1
U14_2: U41.2
U14_3: U41.3
U14_4: U41.4
U14_5: U41.5
U14_6: U41.6
U14_7: U41.7
U14_8: U41.8
U14_9: U41.9
U14_10: U41.10
U14_11: U41.11
U14_12: U41.12
U14_13: U41.13
U14_14: U41.14
U14_15: U41.15
U14_16: U41.16
U14_17: U41.17
U14_18: U41.18
U14_19: U41.19
U14_20: U41.20
U14_21: U41.21
U14_22: U41.22
U14_23: U41.23
U14_24: U41.24
U14_25: U41.25
U14_26: U41.26
U14_27: U41.27
U14_28: U41.28
U14_29: U41.29
U14_30: U41.30
U14_31: U41.31
U14_32: U41.32
U14_33: U41.33
U14_34: U41.34
U14_35: U41.35
U14_36: U41.36
U14_37: U41.37
U14_38: U41.38
U14_39: U41.39
U14_40: U41.40
U14_41: U41.41
U14_42: U41.42
U14_43: U41.43
U14_44: U41.44
U14_45: U41.45
U15_1: 
U15_2: 
U15_3: 
U15_4: 
U15_5: 
U15_6: 
U15_7: 
U15_8: 
U15_9: 
U15_10: 
U15_11: 
U15_12: 
U15_13: 
U15_14: 
U15_15: 
U15_16: 
U15_17: 
U15_18: 
U15_19: 
U15_20: 
U15_21: U32.21 U33.21 U34.21 U46.21 U65.21 U67.21
U16_1: U25.1
U16_2: U25.2
U16_3: U25.3
U16_4: U25.4
U16_5: U25.5
U16_6: U25.6
U16_7: U25.7
U16_8: U25.8
U16_9: U25.9
U16_10: U25.10
U16_11: U25.11
U16_12: U25.12
U16_13: U25.13
U16_14: U25.14
U16_15: U25.15
U16_16: U25.16
U16_17: U25.17
U16_18: U25.18
U16_19: U25.19
U16_20: U25.20
U16_21: U25.21
U16_22: U25.22
U16_23: U25.23
U16_24: U25.24
U16_25: U25.25
U16_26: U25.26
U16_27: U25.27
U16_28: U25.28
U16_29: U25.29
U16_30: U25.30
U16_31: U25.31
U16_32: U25.32
U16_33: U25.33 | length 7157.7
  Bottom Layer w13.78: 9245.84,5544.67 9325.17,5544.67 9433.01,5652.5 9713.51,5652.5 ; 9656.42,5652.5 9656.42,5857.5 ; 9798.01,5022.5 9913.01,5137.5 9998.01,5227.5 10348.01,5222.5 ; 9853.54,5077.5 9713.01,5077.5 9063.01,5727.5 9063.01,5897.5 9143.01,5977.5 9513.01,5977.5 9633.01,5857.5 9988.01,5857.5 10038.01,5812.5 ; 9883.01,5109.14 9883.01,5482.5 ; 9957.3,5184.4 10269.21,4872.5 10353.01,4872.5 10510.48,5029.97 10510.48,5060.03 ; 9992.52,5767.46 10038.01,5812.5 ; 10603.01,4912.5 10618.01,4927.5 10618.01,4952.5 10348.01,5222.5 ; 9713.51,5652.5 9823.01,5762.5 cw(c9910.33,5677.32) 9998.01,5592.5 9913.01,5502.5 9893.01,5482.5 9883.01,5482.5 ; 9713.51,5652.5 9713.51,5546.99 9778.01,5482.5 9883.01,5482.5 ; 10038.01,5812.5 10083.01,5767.5 10083.01,5602.5 10213.01,5472.5 10353.01,5472.5 10413.01,5412.5 10413.01,5287.5 10348.01,5222.5
U17_1: U55.1
U17_2: U55.2
U17_3: U55.3
U17_4: U55.4
U17_5: U55.5
U17_6: U55.6
U17_7: U55.7
U17_8: U55.8
U17_9: U55.9
X1_1: X2.1
X1_2: X2.2
X1_3: X2.3
X1_4: X2.4
"": pad.3

## Keep-outs
Board Outline Layer:
  lines w10 net "": 8098.01,3119.4 8098.01,5590 8098.01,6316.3 ; 8098.01,3119.7 8214.51,3003.2 8217.81,3000 ; 8098.03,6314.97 8214.53,6431.47 8217.73,6434.73 ; 8216.51,6435 13309.21,6435 ; 8216.81,3000 13308.41,3000 ; 13308.01,6434.7 13424.51,6318.2 13427.76,6315 ; 13308.31,3000 13424.81,3116.5 13428.01,3119.75 ; 13428.01,3119.9 13428.01,6315.3

## Other copper
Top Layer:
  region net S$61466: 12183.01,4800 13038.01,4800 13038.01,4885 12183.01,4885
  region net "": 9233.01,4530.15 10527.22,4530.15 10527.22,4615 9233.01,4615
  region net "": 10963.01,3625 11073.01,3625 11073.01,4075 10963.01,4075
  region net "": 10963.01,4440 11073.01,4440 11073.01,4580 10963.01,4580
  region net "": 10518.01,4570 10558.01,4570 10558.01,4900 10518.01,4900
  region net "": 10518.01,4570 11563.01,4570 11563.01,4610 10518.01,4610
  region net "": 10518.01,4895 10558.01,4895 10558.01,5135 10518.01,5135
  region net "": 11538.01,4570 11578.01,4570 11578.01,5135 11538.01,5135
  region net "": 10518.01,5095 11563.01,5095 11563.01,5135 10518.01,5135
  region net "": 10963.01,5120 11088.01,5120 11088.01,6020 10963.01,6020
  region net S$45027: 9717.94,5125.25 9932.94,5125.25 9932.94,5447.75 9717.94,5447.75
  region net S$45027: 9648.01,3947.5 9863.01,3947.5 9863.01,4270 9648.01,4270
  region net "": 11593.01,4770 12138.01,4770 12138.01,4910 11593.01,4910
  region net "": 11233.01,4660 11498.01,4660 11498.01,4740 11233.01,4740
  region net "": 11233.01,4935 11498.01,4935 11498.01,5015 11233.01,5015
  region net "": 11273.01,4775 11498.01,4775 11498.01,4905 11273.01,4905
  region net "": 10648.01,4660 10803.01,4660 10803.01,5015 10648.01,5015
  region net "": 11213.01,4775 11248.01,4775 11248.01,4905 11213.01,4905
  region net S$135902: 9923.01,3485 10138.01,3485 10138.01,3460 10118.01,3445 9943.01,3445 9923.01,3460
  region net "": 8978.01,5345 9013.01,5440 8993.01,5445 8973.01,5430 8958.01,5380 8958.01,5355
  region net "": 8378.01,3245 8378.01,3315 8363.01,3315 8348.01,3300 8348.01,3265 8363.01,3245
  region net "": 12750.51,6080 12845.51,6080 12845.51,6105 12830.51,6120 12765.51,6120 12750.51,6105
  region net "": 10898.01,6045 11133.01,6045 11133.01,6065 11108.01,6095 10923.01,6095 10898.01,6070
  region net S$61466: 12718.01,3475 12863.01,3475 12863.01,3455 12848.01,3440 12738.01,3440 12718.01,3455
  region net "": 8723.01,3550 8723.01,3310 8858.01,3310 8858.01,3390 8803.01,3390 8803.01,3550
  region net U3_2: 12088.01,6145 11503.01,3405 11663.01,3405 12243.01,6145
  region net "": 13133.01,4990 13148.01,4975 13148.01,4700 13133.01,4685 13098.01,4685 13098.01,4990
  text "2" at 9033.58,6274.72 h85.17
  text "3" at 9423.35,6274.72 h85.17
  text "4" at 9817.05,6274.72 h85.17
  text "5" at 10218.62,6274.72 h85.17
  text "6" at 10604.45,6274.72 h85.17
  text "7" at 11002.09,6274.72 h85.17
  text "8" at 11399.72,6274.72 h85.17
  text "9" at 11785.55,6274.72 h85.17
  text "10" at 12143.74,6274.72 h85.17
  text "11" at 12529.57,6274.72 h85.17
  text "12" at 12931.14,6274.72 h85.17
  text "0cm" at 8336.58,6270.78 h85.17
  text "1" at 8632.01,6266.84 h85.17
  text "16th" at 8211.47,6128.69 h53.23 r90
  text "0inch" at 8287.52,6025.63 h85.17 r90
  text "自动化青年" at 8342.08,5556.63 h125.74
  text "1" at 8287.52,5285.2 h85.17 r90
  text "2" at 8287.52,4285.2 h85.17 r90
  text "3" at 8181.27,3185.2 h85.17 r90
Bottom Layer:
  region net "": 9503.01,5392.5 9623.01,5392.5 9623.01,5272.5 9583.01,5272.5 9503.01,5352.5
  region net "": 10168.01,6047.5 10273.01,5942.5 10273.01,5907.5 10253.01,5887.5 10108.01,6032.5 10128.01,6052.5
  region net "": 10151.76,5951.25 10181.76,5921.25 10084.26,5823.75 10054.26,5853.75
  region net "": 9743.01,5037.5 9728.01,5022.5 9728.01,5002.5 9783.01,4947.5 9803.01,4947.5 9818.01,4962.5
  region net "": 9773.46,4827.81 9788.46,4842.81 9788.46,4862.81 9733.46,4917.81 9713.46,4917.81 9698.46,4902.81
  region net "": 9232.55,3197.19 9217.55,3182.19 9217.55,3162.19 9272.55,3107.19 9292.55,3107.19 9307.55,3122.19
  region net "": 9033.01,3670 9203.01,3500 9238.01,3535 9068.01,3705
  region net "": 9278.01,3920 9073.01,3715 9243.01,3545 9448.01,3750
  region net U13_8: 9908.01,5472.5 9958.01,5522.5 9958.01,5207.5 9908.01,5157.5
  region net U3_1: 9093.01,5827.5 9168.01,5902.5 9473.01,5902.5 9478.01,5897.5 9578.01,5797.5 9578.01,5697.5 9558.01,5677.5 9418.01,5677.5 9313.01,5572.5 9258.01,5572.5 9093.01,5737.5

## Silkscreen, mask and mechanical layers (free items; w line width, h text height)
Top Silkscreen Layer:
  drawing of 862 lines, arcs and shapes, not listed
  text "上海电力大学 · 浦东临港校区" at 9507.61,3165.86 h125.74
  text "上海市浦东新区沪城环路1851号   邮政编码：201306" at 11083.26,3159.13 h83.83
Bottom Silkscreen Layer:
  drawing of 399 lines, arcs and shapes, not listed
  text "上海市杨浦区长阳路2588号 /  邮政编码：200090" at 9307.96,5058.76 h91.31 r315
  text "杨浦平凉路校区" at 9198.11,4874.47 h125.74 r45
  text "杨浦长阳路校区" at 10650.53,4135.79 h125.74 r315
  text "自动化工程学院" at 12787.19,3331.26 h167.65
  text "College of Automation Engineering" at 12779.78,3247.36 h71.25
Top Solder Mask Layer:
  drawing of 347 lines, arcs and shapes, not listed
  text "2" at 9033.58,6274.72 h85.17
  text "3" at 9423.35,6274.72 h85.17
  text "4" at 9817.05,6274.72 h85.17
  text "5" at 10218.62,6274.72 h85.17
  text "6" at 10604.45,6274.72 h85.17
  text "7" at 11002.09,6274.72 h85.17
  text "8" at 11399.72,6274.72 h85.17
  text "9" at 11785.55,6274.72 h85.17
  text "10" at 12143.74,6274.72 h85.17
  text "11" at 12529.57,6274.72 h85.17
  text "12" at 12931.14,6274.72 h85.17
  text "0cm" at 8336.58,6270.78 h85.17
  text "1" at 8632.01,6266.84 h85.17
  text "16th" at 8211.47,6128.69 h53.23 r90
  text "0inch" at 8287.52,6025.63 h85.17 r90
  text "自动化青年" at 8342.08,5556.63 h125.74
  text "1" at 8287.52,5285.2 h85.17 r90
  text "2" at 8287.52,4285.2 h85.17 r90
  text "3" at 8181.27,3185.2 h85.17 r90
Bottom Solder Mask Layer:
  drawing of 235 lines, arcs and shapes, not listed